# Altium PCB VIA2.PcbDoc
Units mil, origin at the board's own origin, x right, y up, seen from the top; angles counter-clockwise.
Board outline 2558.74 x 2204.72 mil, 2 copper layers (Top Layer, Bottom Layer); 71 components, 60 nets, 350 pads, 162 vias.
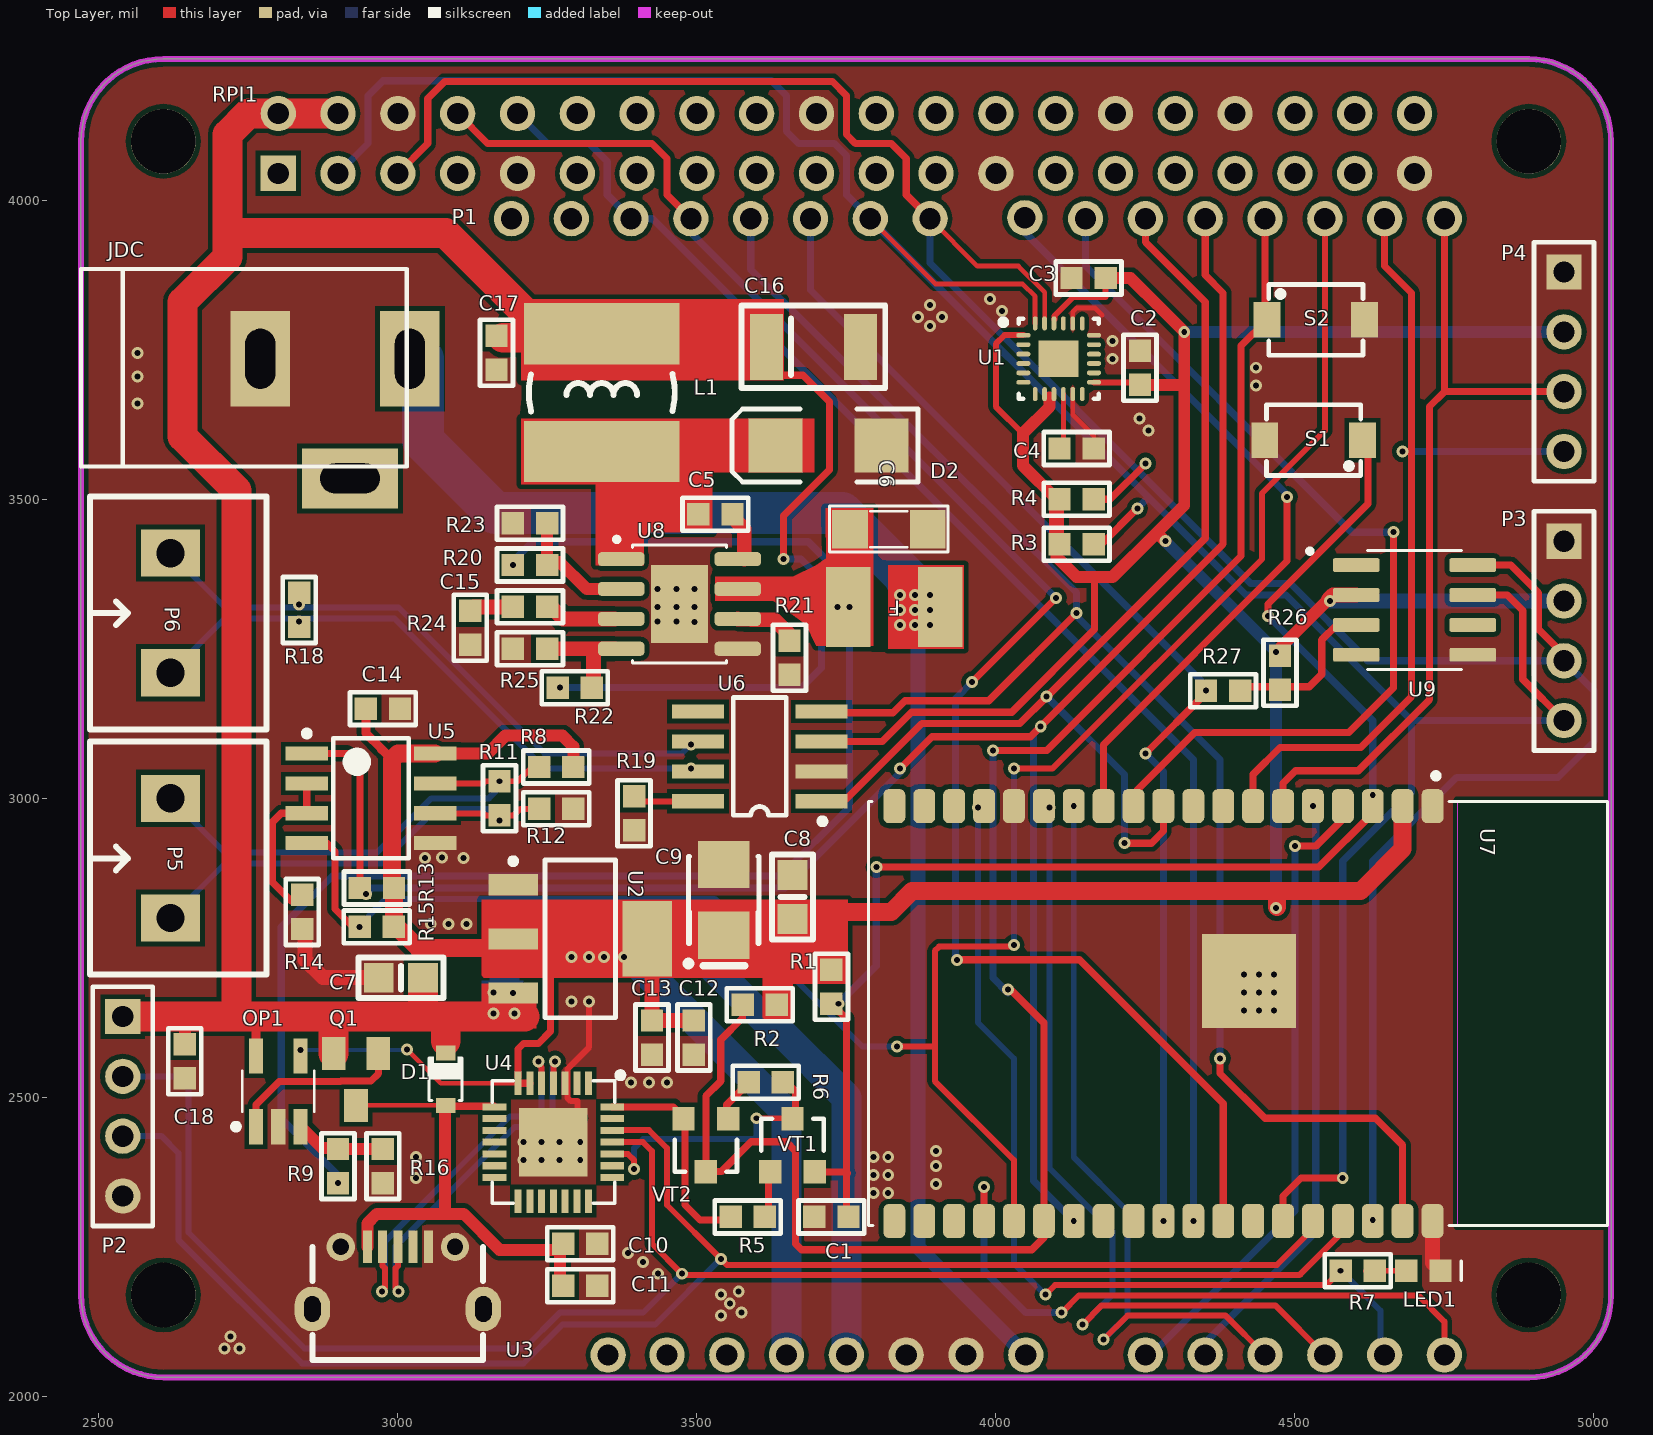
[diagram p0: Top Layer view]
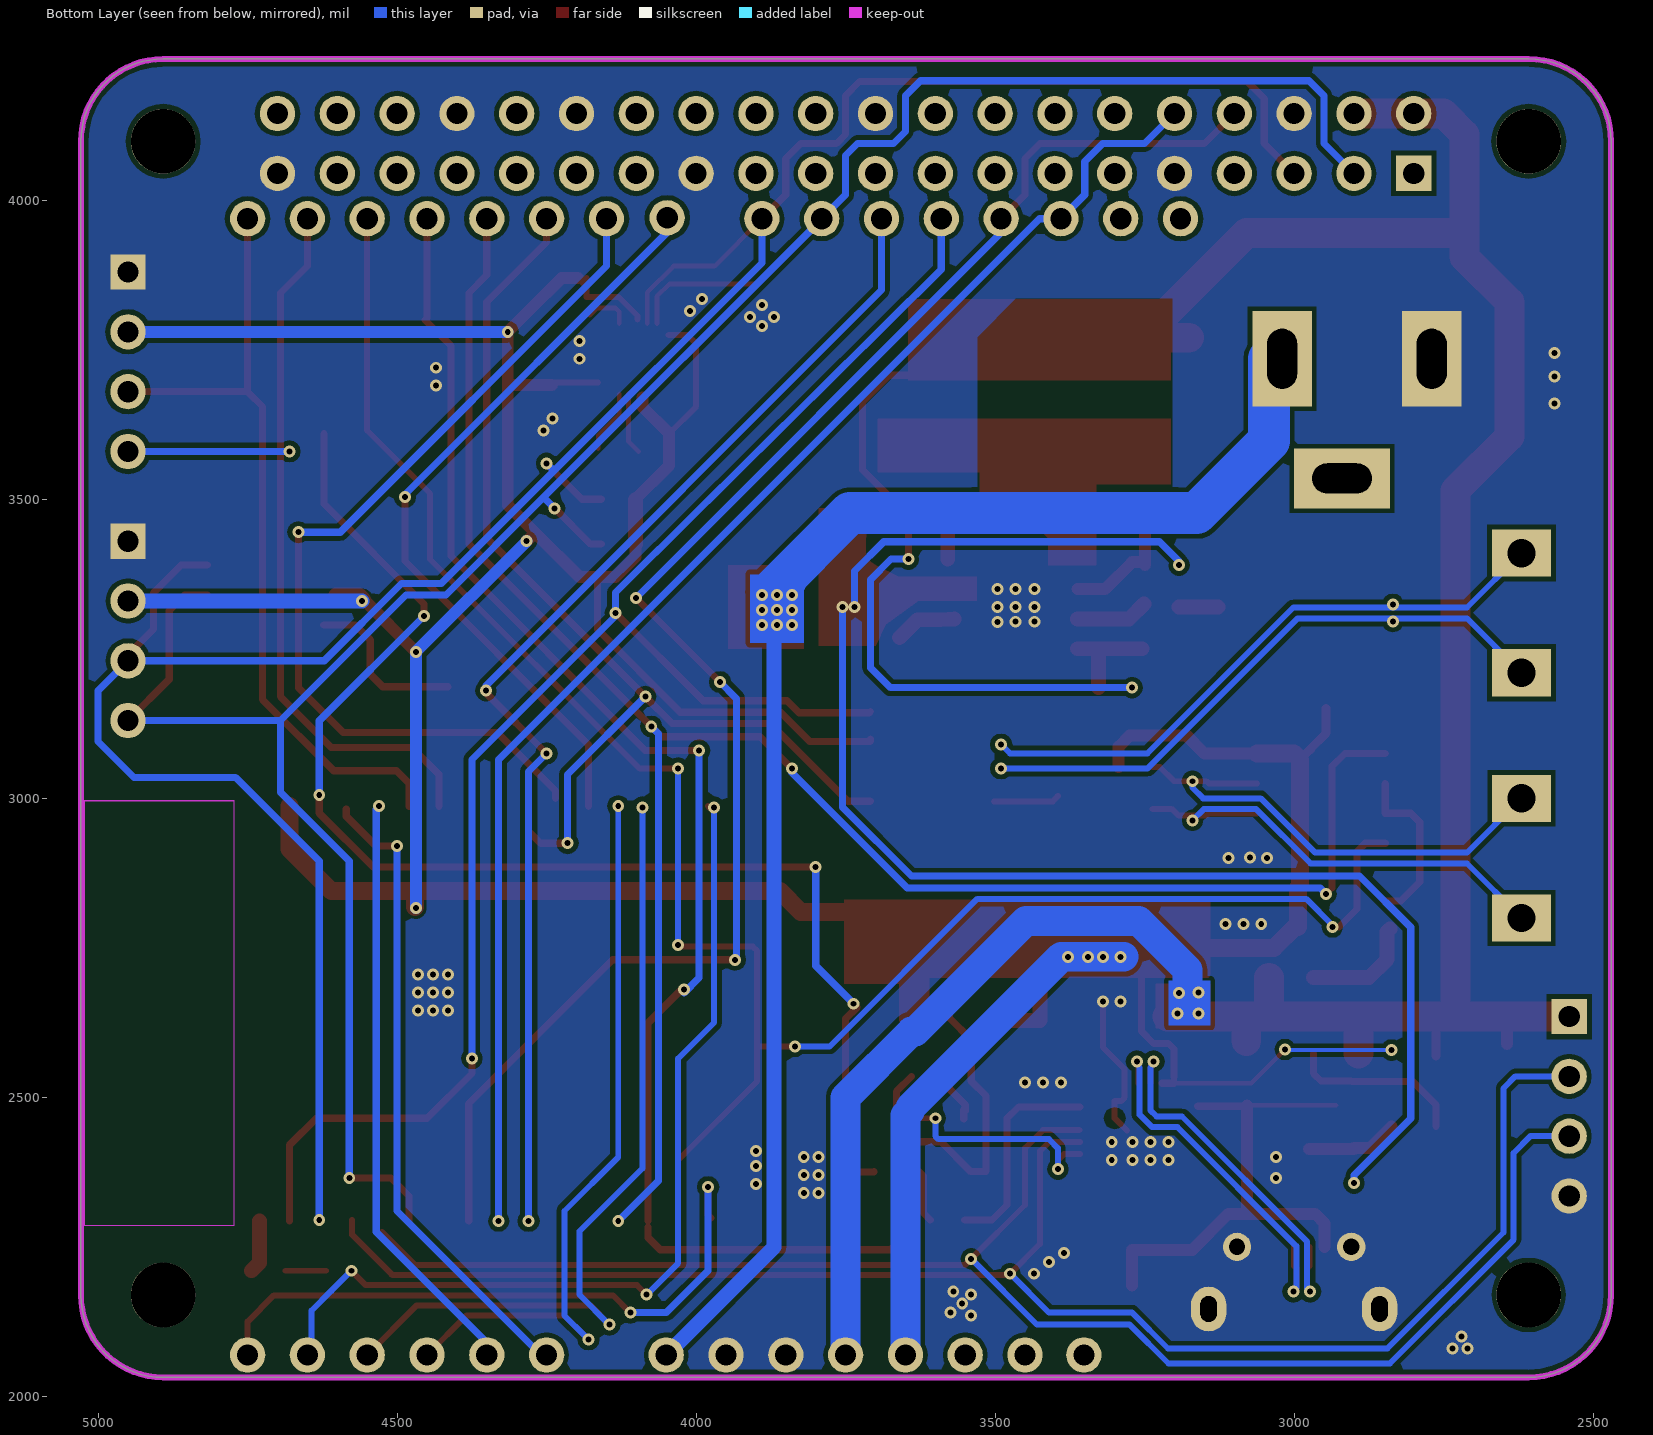
[diagram p1: Bottom Layer view, seen from below]

## Layer stack, top to bottom
Top Solder: solder mask 0.4, Solder Resist, Dk 3.5
Top Layer: signal copper 1.4
Dielectric 1: dielectric 12.6, FR-4, Dk 4.8
Bottom Layer: signal copper 1.4
Bottom Solder: solder mask 0.4, Solder Resist, Dk 3.5

## Board outline
2470,2169.49 2470,4098.62 cw(c2607.8,4098.62) 2607.8,4236.42 4891.26,4236.42 cw(c4891.1,4098.78) 5028.74,4098.62 5028.74,2169.49 cw(c4891.1,2169.33) 4891.26,2031.69 2607.8,2031.69 cw(c2607.8,2169.49)

## Design rules (kind name [scope] priority, off if disabled: settings)
Clearance Clearance_3 [InPolygon] p1: gap=8
Clearance Clearance_2 [InComponent('U1')] p2: gap=5
Clearance Clearance_1 [InComponent('U4')] p3: gap=5
Clearance [All] p4: gap=7
ComponentClearance ComponentClearance_1 [InComponent('P1')] p1: gap=0 collisioncheckmode=3 verticalgap=0 showdistances=FALSE
ComponentClearance [All] p2: gap=8 collisioncheckmode=3 verticalgap=8 showdistances=FALSE
DiffPairsRouting [All] p1: maxlimit=10 minlimit=5 mostfreqgap=8 toplayer_minwidth=5 toplayer_maxwidth=15 toplayer_prefwidth=8 bottomlayer_minwidth=5 bottomlayer_maxwidth=15 bottomlayer_prefwidth=8 maxuncoupledlength=500
PlaneConnect [All] p1: planeconnectstyle=Direct reliefexpansion=20 reliefentries=4 reliefconductorwidth=10 reliefairgap=10
PolygonConnect [All] p1: connectstyle=Direct reliefconductorwidth=10 reliefentries=4 polygonreliefangle="90 Angle" airgapwidth=10
RoutingVias [All] p1: holewidth=20 width=10 viastyle="Through Hole" minholewidth=5 minwidth=5 maxholewidth=25 maxwidth=40
SignalTopValue [All] p1: minimum=5.000
SolderMaskExpansion [All] p1: expansion=4
Width [All] p1: maxlimit=100 minlimit=5 preferedwidth=8
27 further rules are at their usual default settings.

## Classes and differential pairs
component class Usb_To_UART: C10 C11 C12 C13 R5 R6 U3 U4 VT1 VT2
component class RS485_CAN: C14 R8 R11 R12 R13 R14 R15 R18 R19 U5 U6
component class POWER: 20 C5 C6 C7 C8 C9 C15 C16 C17 C18 D1 D2 F JDC L1 OP1 Q1 R9 R16 R20 R21 R22 R23 R24 R25 U2 U8
component class main_esp: C1 C2 C3 C4 LED1 R1 R2 R3 R4 R7 R26 R27 S1 S2 U U1 U7 U9
component class CONNECTROS: P1 P2 P3 P4 P5 P6 RPI1
differential pair D: +D_P -D_N
differential pair 485: +485_P -485_N
differential pair CAN: +CAN_P -CAN_N

## Components (designator, comment, footprint, x,y, rotation, side; value= is the part's Value field where it differs from the comment)
C1 "Cap Semi" SMT0603 3725,2300 r0 top
C2 "Cap Semi" SMT0603 4240.93,3720 r270 top
C3 "Cap Semi" SMT0603 4155,3870 r0 top
C4 "Cap Semi" SMT0603 4135,3585 r0 top
C5 "Cap Semi" SMT0603 3530.95,3475.07 r0 top
C6 "Cap" CN-SMD-1206 3820,3450 r0 top
C7 "10uF 25V" SMT_C_0805 3005,2700 r180 top
C8 "10uF 25V" SMT_C_0805 3660,2835 r90 top
C9 "100uF TAJB107M006RNJ" SMT_C_Tantalum_B 3545,2830 r90 top
C10 "Cap Semi" SMT0603 3305,2255 r180 top
C11 "Cap Semi" SMT0603 3305,2185 r180 top
C12 "Cap Semi" SMT0603 3495,2600 r90 top
C13 "Cap Semi" SMT0603 3425,2600 r90 top
C14 "Cap Semi" SMT0603 2975,3150 r180 top
C15 "Cap Semi" SMT0603 3220.95,3320.07 r0 top
C16 "47uF" Tantal_B 3695,3755 r0 top
C17 "Cap Semi" SMT0603 3165,3745 r270 top
C18 "Cap Semi" SMT0603 2643.71,2560.3 r270 top
D1 "1N5819/SS14/S4(SOD_323)" SMT_DIODE_SOD_323 3080,2530 r90 top
D2 "SS24" SMB 3720,3590 r180 top
F "1812L075PR" 1812 3830,3320 r180 top
JDC "Jac DC" DC-IN 2895,3635 r0 top
L1 "15uH, 3A" "Inductor SMD 6.8*6.8*4.5" 3340.95,3580.07 r90 top
LED1 "BLUE" SMT0603P 4715,2210 r0 top
OP1 "Component_1" SOT23-5 2800,2510 r90 top
P1 "ArduinoHeader" Arduino_header 3970,3020 r0 top locked
P2 "Header 4" HDR1X4 2540,2635 r270 top
P3 "Header 4" HDR1X4 4950,3430 r270 top
P4 "Header 4" HDR1X4 4950,3880 r270 top
P5 "Header 2 - M" "Medium - Header 2" 2620,2900 r90 top
P6 "Header 2 - M" "Medium - Header 2" 2620,3310 r90 top
Q1 "AO3401" SOT23 2930,2530 r180 top
R1 "Resistor" SMT0603 3725,2685 r90 top
R2 "Resistor" SMT0603 3605,2655 r0 top
R3 "Resistor" SMT0603 4135,3425 r180 top
R4 "Resistor" SMT0603 4135,3500 r180 top
R5 "Resistor" SMT0603 3585,2300 r0 top
R6 "Resistor" SMT0603 3615,2525 r180 top
R7 "Resistor" SMT0603 4605,2210 r0 top
R8 "Resistor" SMT0603 3265,3052.44 r0 top
R9 "Resistor" SMT0603 2900,2385 r270 top
R11 "Resistor" SMT0603 3170,3000 r90 top
R12 "Resistor" SMT0603 3265,2982.44 r180 top
R13 "Resistor" SMT0603 2965,2850 r0 top
R14 "Resistor" SMT0603 2840,2810 r90 top
R15 "Resistor" SMT0603 2964.65,2785 r0 top
R16 "Resistor" SMT0603 2975,2385 r90 top
R18 "Resistor" SMT0603 2835,3315 r270 top
R19 "Resistor" SMT0603 3395,2975 r90 top
R20 "Resistor" SMT0603 3220.95,3390.07 r0 top
R21 "Resistor" SMT0603 3655,3235 r90 top
R22 "Resistor" SMT0603 3295.95,3185.07 r0 top
R23 "Resistor" SMT0603 3220.95,3460.07 r180 top
R24 "Resistor" SMT0603 3120.95,3285.07 r90 top
R25 "Resistor" SMT0603 3220.95,3250.07 r180 top
R26 "Resistor" SMT0603 4475,3210 r270 top
R27 "Resistor" SMT0603 4380,3180 r180 top
RPI1 "RPI GPIO Connector" rpi 3750,4095 r180 top locked
S1 "KEY_RST/USER" SMT_SW_PTS_820 4531.26,3598.93 r180 top
S2 "KEY_RST/USER" SMT_SW_PTS_820 4535,3800 r0 top
U1 "MPU-9250" QFN40P300X300X105_HS-25L 4105,3735 r0 top
U2 "NCP1117ST33T3G" SOT-223 3305,2765 r180 top
U3 "USB_Micro_5S_B" USB_MICRO_5S_B 3000,2250 r180 top locked
U4 "CP2102-GM" CP2102 3260,2425 r270 top
U5 "MAX485" SOP8 2955,3000 r0 top
U6 "SN65HVD233" PCBComponent_1 3605,3070 r90 top
U7 "ESP32-WROVER-I" XCVR_ESP32-WROVER-I 4405,2640 r270 top locked
U8 "MP1584EN" SOIC127P600X170-9N 3470.95,3325.07 r0 top
U9 "DS3231MZ+" SOIC127P600X175-8N 4700,3315 r0 top
VT1 "S8050" SMT_TRIODE_NPN 3660,2420 r0 top
VT2 "S8050" SMT_TRIODE_NPN 3515,2420 r180 top

## Footprints (in the part's own frame and the unit in brackets; to place one, negate y for a bottom-side part, rotate by r counter-clockwise, add the part's x,y. Pads: shape width x height; smd on the part's side, far side on the other; paste and mask are expansions set on the pad)
1812 [mm]
  rect 1.9x3.4 smd: 1(-1.95,0) 2(1.95,0)
Arduino_header [mm] "Base for Arduino-like boards."
  round 1.5 hole 0.9: 0(19.812,24.11) 1(-15.708,-24.15) 1(17.272,24.11) 2(14.732,24.11) 3(12.192,24.11) 3v3(-8.128,-24.15) 4(9.652,24.11) 5(7.112,24.11) 5V(-5.588,-24.15) 6(4.572,24.11) 7(1.992,24.15) 8(-2.032,24.11) 9(-4.572,24.11) 10(-7.112,24.11) 11(-9.652,24.11) 12(-12.192,24.11) 13(-14.732,24.11) 14(-17.272,24.11) A0(7.112,-24.15) A1(9.652,-24.15) A2(12.192,-24.15) A3(14.732,-24.15) A4(17.272,-24.15) A5(19.812,-24.15) AREF(-19.812,24.11) GND(-3.048,-24.15) GND(-0.508,-24.15) IOREF(-13.208,-24.15) RESET(-10.668,-24.15) VIN(2.032,-24.15)
CN-SMD-1206 [mil]
  rect 60x65 smd: 1(-64,0) 2(66,0)
  silkscreen extent -98,-38 100,39, body extent -63,-31 63,32, height 40
CP2102 [mm]
  rect 1x0.3 smd: 1(-2.5,1.5) 2(-2.5,1) 3(-2.5,0.5) 4(-2.5,0) 5(-2.5,-0.5) 6(-2.5,-1) 7(-2.5,-1.5) 15(2.5,-1.5) 16(2.5,-1) 17(2.5,-0.5) 18(2.5,0) 19(2.5,0.5) 20(2.5,1) 21(2.5,1.5)
  rect 0.3x1 smd: 8(-1.5,-2.5) 9(-1,-2.5) 10(-0.5,-2.5) 11(0,-2.5) 12(0.5,-2.5) 13(1,-2.5) 14(1.5,-2.5) 22(1.5,2.5) 23(1,2.5) 24(0.5,2.5) 25(0,2.5) 26(-0.5,2.5) 27(-1,2.5) 28(-1.5,2.5)
  rect 2.921x2.921 smd paste-3.2: 29(0,0)
  silkscreen extent -2.97,-2.6 2.6,2.97, body extent -2.5,-2.5 2.5,2.5, height 1
DC-IN [mil] "Jac DC input"
  rect 100x160 hole 50 slot 100 at 90 deg: 1(125,100) 2(-125,100)
  rect 160x100 hole 50 slot 100 at 0 deg: 3(25,-100)
  silkscreen extent -425,-80 120,250, body extent -410,-105 134,269, height 434
HDR1X4 [mm] "Connector; Header; 4 Position"
  rect 1.5x1.5 hole 0.9: 1(0,0)
  round 1.5 hole 0.9: 2(2.54,0) 3(5.08,0) 4(7.62,0)
  silkscreen extent -1.27,-1.27 8.89,1.27
"Inductor SMD 6.8*6.8*4.5" [mm]
  rect 2.6x6.6 smd: 1(0,0) 2(5,0)
  silkscreen extent 1.7,-3.1 3.3,3.1, body extent -0.48,-2.99 5.5,2.99, height 4.5
"Medium - Header 2" [mm]
  rect 2x2.5 hole 1.2: 1(-2.54,0) 2(2.54,0)
  silkscreen extent -4.95,-4.08 4.95,3.43, body extent -5,-4.07 5,3.43, height 10
PCBComponent_1 [mm]
  rect 0.6x2.2 smd: 1(-1.905,-2.625) 2(-0.635,-2.625) 3(0.635,-2.625) 4(1.905,-2.625) 5(1.905,2.625) 6(0.635,2.625) 7(-0.635,2.625) 8(-1.905,2.625)
  silkscreen extent -2.88,-2.79 2.5,1.13, body extent -2.54,-1.4 2.54,1.4, height 2.65
QFN40P300X300X105_HS-25L [mm] "QFN, 24-Leads, Body 3.00x3.00mm, Pitch 0.40mm, Thermal Pad 1.70x1.54mm, IPC High Density"
  oval 0.6x0.2 smd: 1(-1.5,1) 2(-1.5,0.6) 3(-1.5,0.2) 4(-1.5,-0.2) 5(-1.5,-0.6) 6(-1.5,-1) 13(1.5,-1) 14(1.5,-0.6) 15(1.5,-0.2) 16(1.5,0.2) 17(1.5,0.6) 18(1.5,1)
  oval 0.2x0.6 smd: 7(-1,-1.5) 8(-0.6,-1.5) 9(-0.2,-1.5) 10(0.2,-1.5) 11(0.6,-1.5) 12(1,-1.5) 19(1,1.5) 20(0.6,1.5) 21(0.2,1.5) 22(-0.2,1.5) 23(-0.6,1.5) 24(-1,1.5)
  rect 1.7x1.54 smd: 25(0,0)
  silkscreen extent -2.47,-1.7 1.7,1.7, body extent -1.55,-1.55 1.55,1.55, height 1.05
rpi [mm]
  rect 1.5x1.5 hole 0.9: 1(24.13,1.27)
  round 1.5 hole 0.9: 2(24.13,-1.27) 3(21.59,1.27) 4(21.59,-1.27) 5(19.05,1.27) 6(19.05,-1.27) 7(16.51,1.27) 8(16.51,-1.27) 9(13.97,1.27) 10(13.97,-1.27) 11(11.43,1.27) 12(11.43,-1.27) 13(8.89,1.27) 14(8.89,-1.27) 15(6.35,1.27) 16(6.35,-1.27) 17(3.81,1.27) 18(3.81,-1.27) 19(1.27,1.27) 20(1.27,-1.27) 21(-1.27,1.27) 22(-1.27,-1.27) 23(-3.81,1.27) 24(-3.81,-1.27) 25(-6.35,1.27) 26(-6.35,-1.27) 27(-8.89,1.27) 28(-8.89,-1.27) 29(-11.43,1.27) 30(-11.43,-1.27) 31(-13.97,1.27) 32(-13.97,-1.27) 33(-16.51,1.27) 34(-16.51,-1.27) 35(-19.05,1.27) 36(-19.05,-1.27) 37(-21.59,1.27) 38(-21.59,-1.27) 39(-24.13,1.27) 40(-24.13,-1.27)
SMB [mm]
  rect 2.3x2.3 smd: 1(-2.25,0) 2(2.25,0)
  silkscreen extent -3.8,-1.55 4.1,1.55
SMT0603 [mm]
  rect 0.95x0.95 smd: 1(-0.725,0) 2(0.725,0)
  silkscreen extent -1.4,-0.7 1.4,0.7, body extent -1.02,-0.45 1.03,0.45, height 2.65
SMT0603P [mm] "Polarized 0603 footprint"
  rect 0.95x0.95 smd: 1(-0.725,0) 2(0.725,0)
  silkscreen extent 1.6,-0.4 1.6,0.4, body extent -1.01,-0.44 1.01,0.44, height 2.65
SMT_C_0805 [mil]
  rect 50x50 smd: 1(-37,0) 2(37,0)
  silkscreen extent -71,-34 71,34, body extent -49,-24 49,25, height 31
SMT_C_Tantalum_B [mm]
  rect 2x2.2 smd: 1(-1.5,0) 2(1.5,0)
  silkscreen extent -2.82,-1.5 1.85,1.62, body extent -1.75,-1.4 1.75,1.4, height 1.9
SMT_DIODE_SOD_323 [mm]
  rect 0.63x0.83 smd: 1(-1.115,0) 2(1.115,0)
  silkscreen extent -0.9,-0.7 0.96,0.7, body extent -1.35,-0.62 1.35,0.62, height 1.1
SMT_SW_PTS_820 [mm]
  rect 1.143x1.5 smd: 1(-2.075,0) 2(2.075,0)
  round 0 all layers, no hole paste-2.54 mask-2.54: MH1(0,0.9) MH2(0,-0.9)
  silkscreen extent -2,-1.5 2,1.5, body extent -2.25,-1.55 2.25,1.55, height 2.05
SMT_TRIODE_NPN [mm]
  rect 0.95x1 smd: 1(-0.95,-1.125) 2(0.95,-1.125) 3(0,1.125)
  silkscreen extent -1.33,-0.22 1.32,1.13, body extent -1.45,-1.4 1.45,1.4, height 1.3
SOIC127P600X170-9N [mm]
  rrect54% 1.97x0.6 smd: 1(-2.475,1.905) 2(-2.475,0.635) 3(-2.475,-0.635) 4(-2.475,-1.905) 5(2.475,-1.905) 6(2.475,-0.635) 7(2.475,0.635) 8(2.475,1.905)
  rect 2.41x3.3 smd paste-3: 9(0,0)
  silkscreen extent -2.77,-2.5 2,2.84
SOIC127P600X175-8N [mm]
  rrect25% 1.97x0.59 smd: 1(-2.475,1.905) 2(-2.475,0.635) 3(-2.475,-0.635) 4(-2.475,-1.905) 5(2.475,-1.905) 6(2.475,-0.635) 7(2.475,0.635) 8(2.475,1.905)
  silkscreen extent -4.54,-2.52 2,2.59
SOP8 [mm]
  rect 1.8x0.6 smd: 1(-2.725,1.905) 2(-2.725,0.635) 3(-2.725,-0.635) 4(-2.725,-1.905) 5(2.725,-1.905) 6(2.725,-0.635) 7(2.725,0.635) 8(2.725,1.905)
  silkscreen extent -2.85,-2.55 1.6,2.88, body extent -3.02,-2.51 3.02,2.51, height 1.6
SOT23 [mm]
  rect 1x1.4 smd: 1(-0.95,-1.1) 2(0.95,-1.1) 3(0,1.1)
SOT23-5 [mm] "SOT23, 5-Leads, Body 3.0x3.0mm (max), Pitch 0.95mm, IPC Medium Density"
  rect 1.5x0.6 smd: 1(-1.5,0.95) 2(-1.5,0) 3(-1.5,-0.95) 4(1.5,-0.95) 5(1.5,0.95)
  silkscreen extent -1.62,-1.52 0.87,1.92, body extent -1.75,-1.52 1.75,1.53, height 1.45
SOT-223 [mm]
  rect 2.1x0.9 smd: 1(2.85,-2.3) 2(2.85,0) 3(2.85,2.3)
  rect 2.1x3.2 smd: 2(-2.85,0)
  silkscreen extent -1.5,-3.42 2.97,3.35, body extent -3.54,-3.25 3.54,3.25, height 1.65
Tantal_B [mm]
  rect 1.4x2.8 smd: 1(-2,0) 2(2,0)
  silkscreen extent -3.05,-1.75 3.05,1.75, body extent -1.8,-1.4 1.7,1.4, height 1.9
USB_MICRO_5S_B [mil]
  rect 15x54 smd: 1(51,0) 2(25.5,0) 3(0,0) 4(-25.5,0) 5(-51,0)
  oval 59.06x74.8 hole 27.56 slot 43.31 at 90 deg: 6(-143,104) 7(143,104)
  round 47.24 hole 27.5: 8(95.5,0) 9(-95.5,0)
  silkscreen extent -143,0 143,189, body extent -161,-9 161,204, height 105
XCVR_ESP32-WROVER-I [mm]
  rrect50% 1.45x0.93 smd: 1(-8.81,8.26) 2(-8.81,6.99) 3(-8.81,5.72) 4(-8.81,4.45) 5(-8.81,3.18) 6(-8.81,1.91) 7(-8.81,0.64) 8(-8.81,-0.63) 9(-8.81,-1.9) 10(-8.81,-3.17) 11(-8.81,-4.44) 12(-8.81,-5.71) 13(-8.81,-6.98) 14(-8.81,-8.25) 15(-8.81,-9.52) 16(-8.81,-10.79) 17(-8.81,-12.06) 18(-8.81,-13.33) 19(-8.81,-14.6) 20(8.81,-14.6) 21(8.81,-13.33) 22(8.81,-12.06) 23(8.81,-10.79) 24(8.81,-9.52) 25(8.81,-8.25) 26(8.81,-6.98) 27(8.81,-5.71) 28(8.81,-4.44) 29(8.81,-3.17) 30(8.81,-1.9) 31(8.81,-0.63) 32(8.81,0.64) 33(8.81,1.91) 34(8.81,3.18) 35(8.81,4.45) 36(8.81,5.72) 37(8.81,6.99) 38(8.81,8.26)
  rect 4x4 smd paste-3: 39(-1.38,0.47)
  Keep-Out Layer region: 9,9.33 -9.029,9.33 -9.029,15.7 9,15.7
  Keep-Out Layer region: 9,9.331 -9.03,9.331 -9.03,15.7 9,15.7
  Keep-Out Layer region: 9,9.324 -9.023,9.324 -9.023,15.7 9,15.7
  silkscreen extent -10.22,-15.7 9,15.7, body extent -9,-15.83 9,15.57, height 3.3

## Part data
C1 C2 C4 C5 C10 C12 C15 C17: library part CAP-SM-0603-X5R-10uF, "CAP SM 0603 X5R 10uF 10%"
C3 C11 C13 C14 C18: library part CAP-SM-0603-X7R-100nF, "CAP SM 0603 X7R 100nF 10%"
C6: "Capacitor"
C7 C8: library part SMT_C_0805, "Surface mount capacitor 0805"
C9: library part SMT_C_Tantalum_B, "Capacitor, SM Tantalum; Body 3.5 x 2.8 mm (LxW typ)"
C16: library part "Cap Pol", "Polarized Capacitor (Axial)"
D1: library part SMT_DIODE_SCHOTTKY_SOD_323, "Surface mount schottky diode SOD-323(0805) Package"
D2: library part "D Schottky", "Schottky Diode"
F: "Polymeric PTC Resettable Fuse 13.2V 750mA Ih Surface Mount 1812 _4532 Metric_, Concave"
JDC: library part DCIN, "Jac DC input"
L1: library part Inductor
LED1: library part LNJ937W8CRA, "LED SM 0603 BLUE 2V9 FWD VOLTAGE"
P2 P3 P4: "Header, 4-Pin"
P5 P6: "Header, 2-Pin, Medium"
Q1: "P-Channel 30V 4A _Ta_ 1.4W _Ta_ Surface Mount SOT-23-3"
R1 R2 R3 R4 R5 R6 R8 R9 R11 R12 R13 R14 R15 R16 R18 R19 R26 R27: library part RES-SM-0603-10K, "RES SM 0603 10K"
R7: library part RES-SM-0603-1K, "RES SM 0603 1K"
R20 R21 R22 R23 R24 R25: library part RES-SM-0603-100K, "RES SM 0603 100K"
RPI1: library part "rpi connector", "GPIO Header for Raspberry Pi A+/B+/Pi 2/Pi 3 - 2x20"
S1 S2: library part SMT_SW_PTS_820, "SMT Tactile ?Switch PTS 820 Series"
U2: library part NCP1117, "NCP1117, NCV1117. 1.0 A Low-Dropout Positive  Fixed and Adjustable  Voltage Regulators"
U3: "USB micro female SMT with 4 fixed foot"
U4: "Single-Chip USB to UART Bridge, 1024 Bytes EEPROM, -40 to 85 degC, 28-pin QFN, Tube"
U7: "Bluetooth, WiFi 802.11b/g/n, Bluetooth v4.2 + EDR, Class 1, 2 and 3 Transceiver Module 2.4GHz ~ 2.5GHz Antenna Not Included, I-PEX Surface Mount"
U8: library part MP1584
U9: "Real Time Clock _RTC_ IC Clock/Calendar I²C, 2-Wire Serial 8-SOIC _0.154, 3.90mm Width_"
VT1 VT2: library part SMT_TRIODE_NPN, "Surface mount NPN transistor, package SOT-23"

## Free pads (board coordinates)
  round 108.27 hole 108.27: ""(2607.8,2169.49) ""(2607.8,4098.62) ""(4891.26,2169.49) ""(4891.26,4098.62)

## Via types
v1: diameter 20, hole 10, Top Layer to Bottom Layer, 162 vias

## Nets (pads, with @x,y where several pads share a name; then routed paths per layer and width w, separated by ;. In a path a pad name is that pad's centre, name@x,y a point inside that pad or via, vN(x,y) a via of type N, cw(c..) or ccw(c..) an arc to the next point about the centre after c; other vN are vias at no path point)
3.3V: C2.2 C3.2 C8.1 C9.1 C12.2 C13.2 C14.2 OP1.4 P1.3v3 P3.2 P4.2 R1.2 R2.2 R3.2 R4.2 R8.2 R13.2 R15.2 R26.1 U1.1 U1.8 U1.9 U1.13 U1.22 U2.2 U4.6 U4.7 U5.8 U6.3 U7.2 U9.2 | length 8368.7
  Top Layer w8: v1(3015,2580) 3071.58,2523.42 U4.7
  Top Layer w10: U4.7 U4.7@3200.95,2533.75 ; 4045,3610 4000,3655 4000,3760 4014.37,3774.37 U1.1 ; U1.22@4098.03,3800.88 4098.03,3806.8 4129.78,3838.54 4183.54,3838.54 C3.2@4183.54,3855.98 ; U1.13 4236.76,3695.63 C2.2 ; C3.2 C3.2@4183.54,3855.98 ; C3.2@4197.56,3870 C3.2@4183.54,3855.98
  Top Layer w12: U4.7 U4.6 ; U4.7@3200.95,2533.75 3200.95,2580.95 3210,2590 3235,2590 3255,2610 3255,2710 ; U6.3@3708.35,3099 U6.3 3810,3095 3859,3144 4026.47,3144 4165,3282.53 4165,3370
  Top Layer w15: C14.2 2946.46,3109 2973,3082.46 2973,3082 2990,3065
  Top Layer w20: U5.8 3150,3075 3180,3105 3275,3105 3293.54,3086.46 R8.2 ; 4090,3670.51 4090,3655 4045,3610 4045,3556.46 R4.2@4101.46,3500 ; R3.2@4101.46,3425 4101.46,3403.54 4135,3370 4165,3370 4195,3370 4268.54,3443.54 4270,3443.54 ; C3.2@4197.56,3870 4225,3870 4277.5,3817.5 ; C2.2 4315,3691.46 ; v1(4283.54,3430) 4270,3443.54 ; v1(4468.54,3245) v1@4556.24,3332.7 ; 4270,3443.54 4270,3445 4315,3490 v1(4315,3780) ; 4277.5,3817.5 v1(4315,3780) ; 4277.5,3817.5 v1(4315,3780)
  Top Layer w25: U2.2@3417.2,2765 3425,2757.2 C13.2 C12.2 ; R3.2@4101.46,3425 R4.2@4101.46,3500 ; v1@4556.24,3332.7 4563.54,3340 U9.2
  Top Layer w30: U5.8 3000,3075 2990,3065 2990,2853.54 R13.2 2993.54,2785.35 R15.2 2998.54,2785 3033.54,2750 3177.8,2750 U2.2@3192.8,2765 ; C8.1 3672,2810 3825,2810 3860,2845 4470,2845 ; v1@4470,2817.91 4470,2845 ; U7.2 4680.2,2915.2 4610,2845 4470,2845
  Top Layer w100: U2.2@3192.8,2765 3290,2765 ; U2.2@3390,2765 3417.2,2765 3660,2765
  Bottom Layer w7: v1(2837,2579) 3014,2579 v1(3015,2580)
  Bottom Layer w20: v1(4283.54,3430) v1(4468.54,3245) v1(4468.54,2816.46) ; v1(4315,3780) P4.2
  Bottom Layer w25: v1(4558.94,3330) P3.2
  Bottom Layer w50: v1@3285,2735 v1(3290,2735) v1(3320,2735) v1(3345,2735) v1(3377.83,2735) 3389.4,2735 3642,2482.4 3642,2478 3650,2470 P1.3v3
5V: C7.1 C16.1 C17.1 C18.1 D1.2 L1.2 OP1.5 P1.5V P2.1 Q1.2 R22.1 RPI1.2 RPI1.4 U2.3 | length 5843.8
  Top Layer w12: 2630,2635 2643.71,2621.29 ; C16.1@3635,3707.5 3677.5,3707.5 3721.84,3663.16 3721.84,3549.43 3645,3472.59 v1(3645,3400)
  Top Layer w15: OP1.5 2762.6,2632.74
  Top Layer w20: C18.1 2643.71,2621.29
  Top Layer w50: P2.1 2630,2635 2698.91,2635 2699.05,2635.14 2730,2635.14 ; Q1.2 2892.6,2632.74 ; RPI1.4 RPI1.2 2750,4145 2715,4110 2715,3940 ; 3042,2637.14 C7.1 ; 3080,2593.9 3080,2630.14 ; C17.1@3175.95,3770.07 L1.2@3367.8,3770.07 ; 3212.14,2635.14 2730,2635.14 ; L1.2 3248.08,3776.92 3080,3945 2720,3945 2715,3940 ; 2715,3940 2715,3905 2640,3830 2640,3605 2730,3515 2730,2635.14
  Bottom Layer w12: v1(3270.95,3185.07) 3675.07,3185.07 3708.43,3218.43 3708.43,3365.65 3674.08,3400 v1(3645,3400)
  Bottom Layer w50: 3178,2683 3178,2713 3260,2795 3448.61,2795 3633.61,2610 3640,2610 3750,2500 P1.5V
  other v1: 3160,2640 3195,2640.14 3192.8,2674.45 3160,2675
485_N: P5.2 R8.1 R11.2 U5.7 | length 829.1
  Top Layer w10: U5.7 3142.76,3025 3146.3,3028.54 v1(3170,3028.54) 3200.75,3028.54 3224.65,3052.44 R8.1
  Bottom Layer w10: P5.2 2711,2909 2965,2909 3056,3000 3152.28,3000 3170,3017.72 v1(3170,3028.54)
485_P: P5.1 R11.1 R12.2 U5.6 | length 813.4
  Top Layer w10: U5.6 3142.76,2975 3146.3,2971.46 R11.1 3193.7,2971.46 3204.68,2982.44 R12.2
  Bottom Layer w10: P5.1 2711,2891 2972.46,2891 3063.46,2982 3151.14,2982 v1(3170,2963.15)
CAN_N: P6.2 R18.1 U6.6 | length 1015
  Bottom Layer w10: P6.2 2711,3319 3001.46,3319 3245.46,3075 3475,3075 v1(3490,3090)
  other v1: 2835,3324
CAN_P: P6.1 R18.2 U6.7 | length 1011.7
  Bottom Layer w10: P6.1 2711,3301 2994,3301 3245,3050 v1(3490,3050)
  other v1: 2835,3296
CAN_RX: P1.11 U6.4 U7.37 | length 2734.1
  Top Layer w12: U6.4 3710.35,3143 3828,3143 3848,3163 3988,3163 v1(4135,3310) ; v1(4375,2565) 4375,2540 4450,2465 4635,2465 4680.2,2419.8 U7.37
  Bottom Layer w12: P1.11 3590,3884.29 4112.19,3366.87 4135,3344.06 v1(4135,3310) 4135,3305 4375,3065 v1(4375,2565)
CAN_TX: P1.5 U6.1 U7.10 | length 1813.6
  Top Layer w12: U6.1 3746.22,2995 3876.22,3125 4040,3125 v1(4085,3170) 4350,3435 4350,3830 4250,3930 P1.5 ; v1(4215,2925) 4260,2925 4280.2,2945.2 U7.10
  Bottom Layer w12: v1(4085,3170) 4215,3040 v1(4215,2925)
D_N: U3.2 U4.5 | length 628.1
  Top Layer w10: v1(2973.25,2175) 2978.25,2180 2978.25,2214.25 2974.5,2218 U3.2 ; v1(3235,2560) 3235,2555.47 3240.32,2550.16 U4.5
  Bottom Layer w10: v1(2973.25,2175) 2978.25,2180 2978.25,2258.71 3187.54,2468 3230,2468 3240.32,2478.32 3240.32,2550.16
D_P: U3.3 U4.4 | length 627.1
  Top Layer w10: U3.3 3000,2218 2996.25,2214.25 2996.25,2180 v1(3001.25,2175) ; U4.4 3260,2557 v1(3263,2560)
  Bottom Layer w10: v1(3001.25,2175) 2996.25,2180 2996.25,2251.25 3195,2450 3237.46,2450 3258.32,2470.86 3258.32,2550.16
DI: P1.2 R15.1 U5.4 U7.24 | length 3387.4
  Top Layer w10: v1(3835,2585) 3898,2585 ; v1(4030,2755) 4027,2752 3905,2752 3898,2745 3898,2585 ; v1(4030,3050) 4095,3050 4445,3400 4445,3510 4550,3615 P1.2 ; U7.24 4030.2,2394.8 3898,2527 3898,2585
  Top Layer w12: U5.4 2881,2925 2895,2911 2895,2815 R15.1@2925,2785
  Bottom Layer w10: v1(2936.11,2785) 2936.11,2788.11 2980,2832 3529.8,2832 3776.8,2585 v1(3835,2585) ; v1(4030,2755) v1(4030,3050)
DTR: R5.1 U4.28 VT2.2 | length 356.3
  Top Layer w12: U4.28 3460.95,2484.05 3480,2465 3480,2320 3505,2295 R5.1@3551.46,2295
GND: C1.1 C2.1 C3.1 C4.2 C6.2 C7.2 C8.2 C9.2 C10.1 C11.1 C12.1 C13.1 C14.1 C16.2 C17.2 C18.2 D2.1 JDC.2 LED1.2 OP1.2 P1.GND P2.4 P3.1 P4.1 R12.1 R14.1 R16.1 R19.1 R21.1 R23.2 R24.1 R25.2 RPI1.6 RPI1.9 RPI1.20 RPI1.25 RPI1.30 RPI1.34 RPI1.39 S1.2 S2.2 U1.11 U1.18 U1.20 U2.1 U3.5 U3.6 U3.7 U3.8 U3.9 U4.3 U4.29 U5.5 U6.2 U7.1 U7.15 U7.38 U7.39 U8.5 U8.9 U9.5 | length 711.4
  Top Layer w8: U1.11 4128.62,3641.38 4163.54,3606.46 C4.2 ; U1.20 4128.62,3813.5 4135.12,3820 4165.67,3820 4177.83,3807.83
  Top Layer w10: U4.29@3279.69,2444.68 3300,2464.99 3300,2493.73 3289.32,2493.73 3283.46,2499.59 3283.46,2547.24 3320,2583.78 v1(3320,2660)
  Top Layer w25: R14.1 2844.42,2777.04 2844.42,2730.58 2875,2700 C7.2 ; U7.38 4730.2,2223.35 LED1.2
  other v1: 2710,2080 2735,2080 2720,2100 3540,2135 3575,2140 3555,2155 3540,2170 3570,2175 3435,2205 3410,2225 3385,2240 3795,2340 3820,2340 3900,2355 3030,2365 3795,2370 3820,2370 3900,2385 3900,2385 3210,2395 3240,2395 3270,2395 3305,2395 3030,2400 3795,2400 3820,2400 3900,2410 3210,2425 3240.32,2425 3270,2425 3305,2425 3390,2525 3420,2525 3450,2525 4415,2645 4440,2645 4465,2645 3290,2660 4415,2675 4440,2675 4465,2675 4415,2705 4440,2705 4465,2705 3055,2790 3085,2790 3115,2790 3045,2900 3110,2900 3073.93,2901.18 3434.05,3295.28 3465.64,3295.28 3495.95,3295.07 3434.05,3319.75 3465.64,3319.75 3495.95,3320.07 3434.06,3350.07 3465.95,3350.07 3495.95,3350.07 4255,3615 4240,3635 2565,3660 4435,3690 2565,3705 4435,3720 4195,3735 2565,3745 4195,3765 3890,3790 3870,3805 3910,3805 4010,3815 3890,3825 3990,3835
IO0: P1.3 R2.1 S2.1 U7.25 VT2.3 | length 3046.4
  Top Layer w12: R2.1 3576.46,2632.66 3540,2596.2 3540,2527.04 3515,2502.04 VT2.3 3540.71,2375.71 3590.63,2425.63 3649.37,2425.63 3665,2410 3665,2324.33 3664.76,2324.09 3664.76,2275.91 3665,2275.67 3665,2255 3675,2245 4060,2245 4080.2,2265.2 U7.25@4080.2,2283.28 ; v1(3995,3080) 4085,3080 4410,3405 4410,3756.69 S2.1 ; v1(4020,2680) 4025,2680 4080.2,2624.8 U7.25 ; S2.1@4450,3803.31 P1.3
  Bottom Layer w12: v1(3995,3080) 3995,2700 4020,2675 v1(4020,2680)
IO4: P1.4 R13.1 U5.1 U7.26 | length 3397.3
  Top Layer w12: U5.1 2915,3075 2936.46,3053.54 R13.1 ; v1(3840,3050) 3893,3103 4058,3103 v1(4075,3120) 4380,3425 4380,3845 4350,3875 P1.4
  Bottom Layer w12: v1(2946.46,2840) 2956.46,2850 3646.87,2850 3840,3043.13 v1(3840,3050) ; v1(4075,3120) 4063,3108 4063,2360.35 v1(4130.2,2293.15)
IO5: P1.10 R27.2 U7.29 | length 2010.4
  Top Layer w12: v1(4250,3075) 4350,3175 R27.2@4350,3186.46
  Bottom Layer w12: P1.10 3690,3849.81 4351.46,3188.36 v1(4351.46,3180) ; v1(4250,3075) 4280.2,3044.8 v1(4280.2,2293.15)
IO12: P1.A3 U7.14 | length 1381.7
  Top Layer w10: v1(4145,2120) 4177,2152 4467.21,2152 P1.A3
  Bottom Layer w10: v1(4090,2985) 4090,2381.04 4195,2276.04 4195,2170 v1(4145,2120)
IO13: P1.A4 R7.1 U7.16 | length 1554.1
  Top Layer w10: v1(3970,2985) 3978.35,2985 U7.16 ; v1(4082.83,2170) 4098.83,2186 4552.46,2186 v1(4576.46,2210)
  Bottom Layer w10: v1(3970,2985) 3970,2625 4030,2565 4030,2222.83 v1(4082.83,2170) ; v1(4576.46,2210) 4610,2176.46 4643.23,2143.23 4643.23,2075.98 P1.A4
IO14: P1.A2 U7.13 | length 1251
  Top Layer w10: v1(4180,2095) 4220,2135 4384.21,2135 P1.A2
  Bottom Layer w10: v1(4130.2,2986.85) 4130.2,2399.8 4220,2310 4220,2135 v1@4186,2101
IO15: P1.A5 U7.23 | length 1078.7
  Top Layer w10: v1(4110,2140) 4139,2169 4706,2169 4750,2125 P1.A5
  Top Layer w12: U7.23@3975,2298.35 3980,2303.35 v1(3980,2350)
  Bottom Layer w12: v1(3980,2350) 3980,2210 4050,2140 v1(4110,2140)
IO16: P1.14
IO17: P1.AREF
IO18: P1.13 RPI1.10 U7.30 | length 2382
  Bottom Layer w12: RPI1.10 3250,4095 3320,4095 3350,4065 3350,4009.21 P1.13 3425.79,3969.21 4330.2,3064.8 v1(4330.2,2293.15)
IO19: P1.12 RPI1.8 U7.31 | length 2798.2
  Top Layer w12: RPI1.8 3150,4095 3425,4095 3450,4070 3450,4009.21 P1.12 ; v1(3935,2730) 4140,2730 4380.2,2489.8 U7.31 ; v1(3960,3194.38) v1(4100.62,3335)
  Bottom Layer w12: P1.12@3490,3965 3490,3945.62 v1(4100.62,3335) ; v1(3935,2730) 3932.71,2732.29 3932.71,3167.09 v1(3960,3194.38)
IO21: P1.9 P3.4 R3.1 RPI1.3 U1.24 U7.33 U9.7 | length 4435.8
  Top Layer w8: P1.9 3899.21,3860 4045,3860 4065.63,3839.37 U1.24
  Top Layer w12: R3.1@4158.54,3425 4176.57,3425 v1(4236.57,3485) ; U7.33 4480.2,2335.2 4510,2365 v1(4580,2365) ; U9.7@4817.44,3340 4855,3340 4881,3314 4881,3199 P3.4
  Bottom Layer w12: RPI1.3 2950,4095 2950,4175 2975,4200 3625,4200 3650,4175 3650,4115 3670,4095 3730,4095 3750,4075 3750,4009.21 P1.9 3790,3968.31 4255,3503.31 ; v1(4236.57,3485) 4236.69,3485 4255,3503.31 ; v1(4580,2365) 4580,2895 4695,3010 4695,3130 ; P3.4 4695,3130 ; 4255,3503.31 4418.31,3340 4485,3340 4695,3130
IO22: P1.8 P3.3 R4.1 RPI1.5 U1.23 U7.36 U9.8 | length 4468.6
  Top Layer w8: P1.8 3969.21,3890 4037.63,3890 4081.63,3846 U1.23@4081.63,3794.06
  Top Layer w12: RPI1.5 3050,4095 3050,4170 3078.42,4198.42 3726.58,4198.42 3750,4175 3750,4110 3765,4095 3825.09,4095 3850,4070.09 3850,4009.21 P1.8 ; R4.1@4158.54,3500 4190.79,3500 4250,3559.21 v1(4250,3560) ; U9.8@4817.44,3390 4861.06,3390 4907.47,3343.59 4907.47,3282.53 4950,3240 P3.3 P3.3@4950,3215
  Bottom Layer w12: P1.8 3890,3895.18 4237.98,3547.2 ; v1(4250,3560) 4237.98,3547.98 4237.98,3547.2 ; v1(4630.2,2295.2) 4630.2,2895.2 4770,3035 4940,3035 5000,3095 5000,3180 P3.3 4621.87,3230 4492.87,3359 4426.18,3359 4237.98,3547.2
IO26: P1.6 U7.11 | length 1552.5
  Top Layer w12: U7.11@4235,3000 4235,3012.47 4332.53,3110 4590,3110 4665,3185 v1(4665,3445)
  Bottom Layer w12: P1.6 4150,3890 4595,3445 v1(4665,3445)
IO27: P1.7 U7.12 | length 1292.7
  Top Layer w12: U7.12 4180.2,3090.2 4487.02,3397.02 v1(4487.02,3503.99)
  Bottom Layer w12: P1.7 4048.43,3946.57 4487.02,3507.98 v1(4487.02,3503.99)
IO32: U7.8
IO33: U7.9
IO34: P1.0 P4.3 U7.6 | length 1355.6
  Top Layer w12: U7.6 4480.2,3025.2 4501,3046 4606,3046 4725,3165 4725,3655 4750,3680 ; P1.0 4750,3680 ; P4.3 4750,3680
IO35: P1.1@4650,3969.21 P4.4 U7.7 | length 1474.8
  Top Layer w12: U7.7 4430.2,3040.2 4475,3085 4610,3085 4695,3170 4695,3580 ; P1.1@4650,3969.21 4650,3890 4695,3845 4695,3580 ; v1@4680,3580.22 4695,3580
  Bottom Layer w12: v1(4680,3580) P4.4
IO36: P1.A0 U7.4 | length 1077.5
  Top Layer w12: v1(4500,2920) 4535,2920 4585,2970 U7.4@4585,2982.05
  Bottom Layer w12: P1.A0 4260,2079.21 4269.21,2079.21 4500,2310 v1(4500,2920)
IO39: P1.A1 U7.5 | length 996.3
  Bottom Layer w12: P1.A1 4350,2090 4535,2275 4535,2982.05 v1(4530.2,2986.85)
LBK: U6.5
MPU_INT: U1.12
NetC4_1: C4.1 U1.10 | length 102.7
  Top Layer w8: C4.1@4096.46,3580 4112.87,3596.42 U1.10
NetC5_1: C5.1 D2.2 L1.1 U8.1 | length 115
  Top Layer w25: C5.1@3502.37,3470.11 3502.37,3585.07
NetC5_2: C5.2 U8.8 | length 78.2
  Top Layer w25: C5.2@3559.5,3470.07 3579.22,3450.34 U8.8@3579.22,3400.07
NetC15_1: C15.1 R24.2 | length 65
  Top Layer w25: R24.2@3127.41,3320.07 C15.1
NetC15_2: C15.2 U8.3 | length 122.1
  Top Layer w25: C15.2@3250.95,3325.07 3275.95,3300.07 U8.3@3362.69,3300.07
NetLED1_1: LED1.1 R7.2 | length 67.9
  Top Layer w10: R7.2@4618.54,2210 LED1.1
NetOP1_1: OP1.1 Q1.1 | length 296.7
  Top Layer w12: OP1.1 2762.6,2487.6 2801.53,2526.53 2904.21,2526.53 2904.93,2527.25 2955.07,2527.25 2967.4,2539.58 Q1.1
NetOP1_3: OP1.3 R9.1 R16.2 | length 152.5
  Top Layer w20: OP1.3 2873.35,2415 R9.1@2900,2415 ; R9.1 R16.2
NetR5_2: R5.2 VT1.1 | length 88.6
  Top Layer w12: R5.2@3608.54,2295 3620,2306.46 3620,2368.11 VT1.1@3627.6,2375.71
NetR6_2: R6.2 VT2.1 | length 91
  Top Layer w12: VT2.1 3552.4,2479.29 3550,2476.89 3550,2487.56 3585,2522.56 R6.2@3585,2535
NetR20_2: R20.2 R23.1 U8.2 | length 201.8
  Top Layer w20: R20.2 R20.2@3249.5,3395.07 ; R23.1 R20.2@3249.5,3395.07 ; U8.2@3362.69,3350.07 3315.95,3350.07 3270.95,3395.07 R20.2@3249.5,3395.07
NetR21_2: R21.2 U8.6 | length 104.1
  Top Layer w25: U8.6 3590.95,3298.61 3629.93,3298.61 R21.2@3660,3268.54
NetR22_2: R22.2 R25.1 U8.4 | length 171.7
  Top Layer w25: R25.1@3254.5,3250.07 U8.4@3362.69,3250.07 ; R22.2@3327.41,3185.07 3327.41,3248.61
NetR26_2: R26.2 R27.1 U9.3 | length 284.2
  Top Layer w12: R27.1@4415,3186.46 4524.02,3186.46 4545,3207.44 4545,3264.99 4570,3290 U9.3@4622.56,3290
OTG_ID: U3.4
RESET: C1.2 R1.1 S1.1 U7.3 VT1.2 | length 2307.1
  Top Layer w12: VT1.2@3702.4,2375.71 3703.11,2375 3750,2375 ; R1.1@3730.73,2650.73 3750,2631.46 3750,2375 ; C1.2@3750,2301.46 3750,2375 ; 3752,2373 3750,2375 ; v1(3800,2885) 4540,2885 4630.2,2975.2 U7.3 v1(4630.2,3005.2) ; v1(4455,3305) 4455,3325 4622.42,3492.42 S1.1@4622.42,3610
  Bottom Layer w12: v1(3736.46,2656.46) 3800,2720 v1(3800,2885) ; v1(4455,3305) 4630.2,3129.8 v1(4630.2,3005.2)
RS: R19.2 U6.8 | length 111.2
  Top Layer w10: R19.2@3395.98,3003.54 R19.2 3403.54,2995 U6.8
RTS: R6.1 U4.24 VT1.3 | length 480.5
  Top Layer w10: U4.24 3384.69,2405.31 3395,2395 v1(3395,2380) ; v1(3600,2465) 3664.29,2465 VT1.3@3665,2464.29
  Top Layer w12: R6.1@3640,2535 3665,2510 VT1.3@3665,2464.29
  Bottom Layer w10: v1(3395,2380) 3395,2414.99 3410.01,2430 3595,2430 3600,2435 v1(3600,2465)
RXD0: P2.3 U4.26 U7.34 | length 2653
  Top Layer w10: U4.26@3358.75,2445 3420,2445 3450,2415 3450,2320 v1(3540,2230) 3550,2220 4470,2220 U7.34@4525.2,2275.2
  Bottom Layer w10: P2.3 2605,2435 2633,2407 2633,2262 2840,2055 3210,2055 3275,2120 3430,2120 v1(3540,2230)
TE/RE: R14.2 U5.2 U5.3 | length 287
  Top Layer w12: U5.2 U5.3 2805,2975 2790,2960 2790,2860 2821.46,2828.54 R14.2@2850,2828.54
TXD0: P2.2 U4.25 U7.35 | length 2768.1
  Top Layer w10: U4.25 3410.01,2424.99 3425,2410 3425,2255 v1(3475,2205) 3477,2203 4508,2203 ; 4508,2204 4509,2204 4575.2,2270.2 U7.35@4575.2,2295
  Bottom Layer w10: P2.2 2630,2535 2650,2515 2650,2274.04 2844.04,2080 3210.96,2080 3270.96,2140 3410,2140 v1(3475,2205)
VBUS: C10.2 C11.2 D1.1 Q1.3 U3.1 U4.8 | length 854.3
  Top Layer w8: Q1.3 3079.41,2486.69 D1.1
  Top Layer w12: D1.1@3089.17,2485 U4.8@3161.58,2485
  Top Layer w20: U3.1 2949,2289 2965,2305 3078.9,2305 ; D1.1@3078.9,2486.1 3078.9,2305 ; C11.2@3271.46,2185 C10.2@3271.46,2242.56 ; C10.2@3271.46,2245 3170,2245 3110,2305 3078.9,2305
VIN: C6.1 F.2 R9.2 R20.1 U8.7 | length 2478.3
  Bottom Layer w12: v1(2900,2356.46) 2900,2369.69 2805,2464.7 2805,2784.5 2890.5,2870 3640,2870 3755,2985 v1(3755,3320) ; v1(3192.41,3390.07) 3192.41,3396.41 3225,3429 3686.22,3429 3735,3380.22 v1(3735,3320)
VIN_N: F.1 JDC.1 P1.VIN | length 2443.3
  Bottom Layer w25: 3830,3355 3849.5,3374.5 ; v1(3865,3340) 3865,3350 3874.5,3359.5 ; v1@3869.5,3290 3869.5,2249.71 P1.VIN
  Bottom Layer w70: JDC.1 3042,3735 3042,3598 3163,3477 3742.93,3477 3874.93,3345
  other v1: 3840,3290 3865,3290 3890,3290 3840,3315 3865,3315 3890,3315 3840,3340 3890,3340
pads on no net: JDC.3 P1.1@3351.57,2069.21 P1.IOREF P1.RESET RPI1.1 RPI1.7 RPI1.11 RPI1.12 RPI1.13 RPI1.14 RPI1.15 RPI1.16 RPI1.17 RPI1.18 RPI1.19 RPI1.21 RPI1.22 RPI1.23 RPI1.24 RPI1.26 RPI1.27 RPI1.28 RPI1.29 RPI1.31 RPI1.32 RPI1.33 RPI1.35 RPI1.36 RPI1.37 RPI1.38 RPI1.40 S1.MH1 S1.MH2 S2.MH1 S2.MH2 U1.2 U1.3 U1.4 U1.5 U1.6 U1.7 U1.14 U1.15 U1.16 U1.17 U1.19 U1.21 U1.25 U4.1 U4.2 U4.9 U4.10 U4.11 U4.12 U4.13 U4.14 U4.15 U4.16 U4.17 U4.18 U4.19 U4.20 U4.21 U4.22 U4.23 U4.27 U7.17 U7.18 U7.19 U7.20 U7.21 U7.22 U7.27 U7.28 U7.32 U9.1 U9.4 U9.6

## Polygon pours and split planes (outlines as drawn)
GND on Bottom Layer "Bottom Layer-No Net" (solid, remove dead copper, pour order 0): 2460,4245 5025,4245 5025,2035 2460,2035
3.3V on Top Layer "Bottom Layer-No Net" (solid, remove dead copper, pour order 18): 3684,2825 3752.56,2825 3752.56,2756.44 3752.56,2740.12 3752.56,2690 3680,2690 3665,2690 3660,2690 3660,2627.56 3615,2627.44 3610,2627.44 3610,2645 3610,2700 3140,2700 3140,2825
GND on Top Layer "Bottom Layer-No Net" (solid, remove dead copper, pour order 2): 2470,4240 5035,4240 5035,2030 2470,2030

## Keep-outs
Keep-Out Layer:
  the board outline again, w10

## Other copper
Top Layer:
  rectangle net 5V: 3205.95,3699.04 3645.95,3835
  region net VIN_N: 3946.83,3250 3946.83,3390 3820,3390 3820,3250
  rectangle net 5V: 3140,2615 3232.17,2690
  pour cut-out: 3803.16,3398.3 3798.63,3244.23 3814.23,3244.23 3811.84,3393.38 3816.76,3398.3
  region net VIN: 3795,3255 3795,3485 3727,3485 3715.43,3485 3715.43,3470 3716.65,3401.1 3700,3390 3660,3370.87 3530.63,3370.87 3530.63,3330 3627.34,3330 3682.56,3290.12 3700,3255
  region net 3.3V: 3140,2830 3752.56,2830 3752.56,2756.44 3752.56,2690 3660,2690 3660,2627.56 3616.05,2627.56 3610,2633.61 3610,2700 3143.73,2700 3140,2703.73
  region net NetC5_1: 3205.95,3635.07 3695.95,3635.07 3695.95,3545.07 3525.96,3545.07 3525.96,3540.06 3525.96,3445.07 3420.95,3445.07 3410.95,3435.07 3410.95,3390.07 3350.95,3390.07 3330.95,3390.07 3330.95,3400.07 3330.95,3510.07 3330.95,3525.07 3205.95,3525.07
  pour cut-out: 3205.95,3690.07 3654.7,3686.91 3654.7,3645.07 3203.88,3640.09 3205.95,3670.07
Bottom Layer:
  region net VIN_N: 3909.5,3260 3909.5,3374.5 3820,3374.5 3820,3260
  rectangle net 5V: 3140,2620 3210,2695
  pour cut-out: 3203.03,3836.1 3203.03,3520.89 3530,3520.89 3530,3771.02 3465.95,3835.07

## Text inside footprints (layer, text, board x,y; h text height)
U1: Mechanical 13 "Y" at 4100.08,3762.56 h15.75; Mechanical 13 "x" at 4131.57,3729.09 h15.75; Mechanical 13 "Z" at 4078.43,3705.47 h15.75